# Altium PCB 1541 Interface for ZX-81.PcbDoc (part 2 of 2)
Units mm, origin at the board's own origin, x right, y up, seen from the top; angles counter-clockwise.
Board outline 70 x 70 mm, 2 copper layers (Top Layer, Bottom Layer), stack 1.569 mm thick; 47 components, 65 nets, 275 pads, 173 vias.
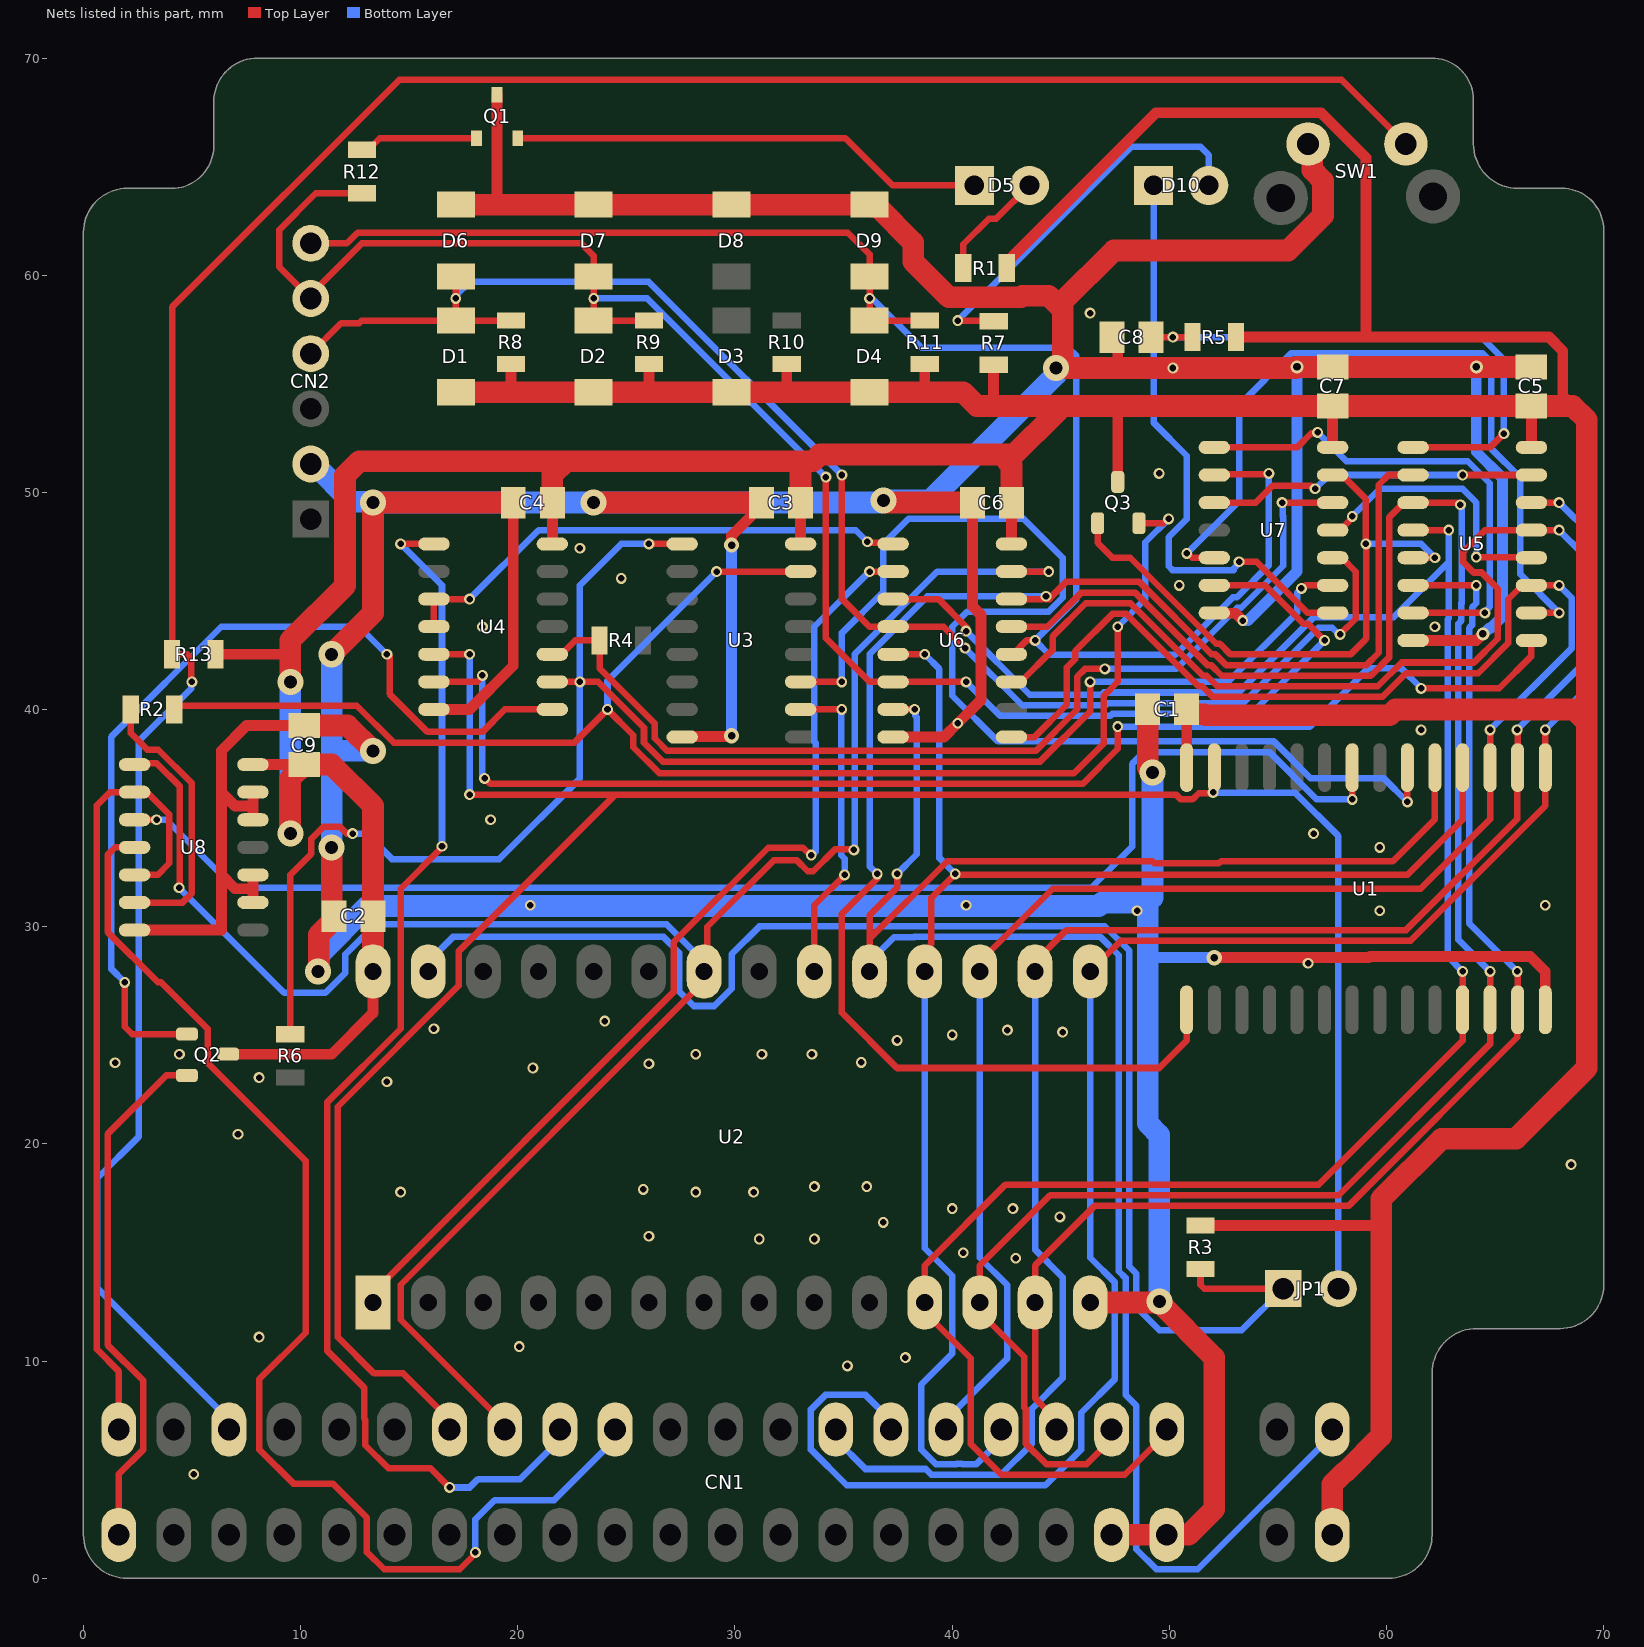
[diagram p2: the nets of this part, all layers, seen from the top]

## Via types
v1: diameter 0.5, hole 0.3, Top Layer to Bottom Layer, tented both sides, 155 vias
v2: diameter 1.2, hole 0.6, Top Layer to Bottom Layer, tented both sides, 12 vias
v3: diameter 0.6, hole 0.35, Top Layer to Bottom Layer, tented both sides, 3 vias
v4: diameter 0.7, hole 0.35, Top Layer to Bottom Layer, tented both sides, 3 vias

## Nets (pads, with @x,y where several pads share a name; then routed paths per layer and width w, separated by ;. In a path a pad name is that pad's centre, name@x,y a point inside that pad or via, vN(x,y) a via of type N, cw(c..) or ccw(c..) an arc to the next point about the centre after c; other vN are vias at no path point) (continued)
B\F\: U4.3 U4.4 U6.1 | length 24
  Top Layer w0.3: U4.4@16.14,43.815 U4.3@16.14,45.085 v1(17.78,45.085) ; v1(36.095,47.725) 36.149,47.725 36.192,47.682 37.223,47.682 U6.1@37.28,47.625
  Bottom Layer w0.3: v1(17.78,45.085) 20.955,48.26 35.56,48.26 v1(36.095,47.725)
B\F\W\R\: U4.6 U5.9 | length 60
  Top Layer w0.3: U4.6@16.14,41.275 18.133,41.275 18.133,41.28 18.37,41.517 v1(18.37,41.571) ; v1(18.469,36.83) 18.49,36.83 18.745,36.575 46.01,36.575 47.625,38.19 v1(47.625,39.215) ; v1(61.595,40.977) 65.187,40.977 66.675,42.465 U5.9@66.675,43.18
  Bottom Layer w0.3: v1(18.37,41.571) 18.37,36.929 v1(18.469,36.83) ; v1(47.625,39.215) 56.476,39.215 57.901,40.64 59.171,41.91 60.662,41.91 v1(61.595,40.977)
BUSY: U2.1 U6.2 | length 45.9
  Top Layer w0.3: U2.1@13.335,12.7 13.335,13.15 27.175,26.99 27.175,29.283 31.527,33.635 33.127,33.635 33.461,33.301 v1(33.515,33.301) ; v1(36.195,46.355) U6.2@37.28,46.355
  Bottom Layer w0.3: v1(33.515,33.301) 33.55,33.301 33.726,33.477 33.726,38.445 33.655,38.515 33.655,43.815 v1(36.195,46.355)
C\L\K\: CN2.4 D1.2 D6.1 R8.1 U6.4 U7.10 | length 70.5
  Top Layer w0.3: CN2.4@10.465,56.388 11.862,57.785 12.7,57.785 12.825,57.91 D1.2@17.145,57.91 ; D6.1@17.145,59.945 v1(17.145,58.928) D1.2@17.145,57.91 ; R8.1@19.685,57.91 D1.2@17.145,57.91 ; v1(34.925,50.8) 34.925,45.085 36.195,43.815 39.606,43.815 v1(40.595,42.826) ; U7.10@57.52,46.99 57.945,46.99 58.585,46.35 58.585,44.185 v1(57.864,43.464)
  Bottom Layer w0.3: v1(17.145,58.928) 17.145,59.055 17.78,59.69 26.035,59.69 v1(34.925,50.8) ; v1(40.595,42.826) 43.226,40.195 47.078,40.195 47.178,40.295 53.392,40.295 56.867,43.77 57.503,43.77 57.81,43.464 v1(57.864,43.464)
D0: CN1.4A U1.11 U2.11 U5.4 U6.3 | length 104.1
  Top Layer w0.3: U6.3@37.28,45.085 39.37,45.085 40.64,43.815 v1(40.64,43.616) ; CN1.4A@49.88,6.85 49.88,6.7 47.95,4.77 42.278,4.77 40.86,6.188 40.86,10.125 38.735,12.25 U2.11@38.735,12.7 38.735,14.4 42.46,18.125 56.875,18.125 63.5,24.75 U1.11@63.5,26.175 v1(63.5,27.94) ; U5.4@61.225,48.26 v1(62.865,48.26)
  Bottom Layer w0.3: v1(40.64,43.616) 43.571,40.685 46.875,40.685 46.975,40.785 53.189,40.785 56.664,44.26 60.334,44.26 62.82,46.746 ; v1(62.865,48.26) 62.865,46.746 62.865,44.204 62.82,44.159 62.82,28.62 v1(63.5,27.94)
D1: CN1.5A U1.12 U2.12 U5.3 U6.13 | length 97.6
  Top Layer w0.3: U6.13@42.73,43.815 44.383,43.815 45.953,45.385 48.419,45.385 51.754,42.05 51.922,42.05 52.412,41.56 59.28,41.56 60.135,42.415 60.135,48.865 60.8,49.53 63.246,49.53 63.346,49.43 v1(63.4,49.43) ; CN1.5A@47.34,6.85 47.34,6.4 46.2,5.26 44.328,5.26 43.4,6.188 43.4,7.772 43.325,7.847 43.325,10.2 41.275,12.25 U2.12@41.275,12.7 41.275,14.4 44.51,17.635 57.805,17.635 64.77,24.6 U1.12@64.77,26.175 v1(64.77,27.94)
  Bottom Layer w0.3: v1(63.4,49.43) 63.4,49.376 63.455,49.321 63.455,44.902 63.45,44.897 63.45,44.096 63.31,43.956 63.31,29.4 v1(64.77,27.94)
D2: CN1.6A U1.13 U2.13 U5.6 | length 59.3
  Top Layer w0.3: CN1.6A@44.8,6.85 44.8,7.3 43.815,8.285 U2.13@43.815,12.7 43.815,14.4 46.56,17.145 58.254,17.145 58.92,17.811 66.019,24.91 66.019,26.154 U1.13@66.04,26.175 66.04,27.919 v1(66.019,27.94) ; U5.6@61.225,45.72 v1(64.135,45.72)
  Bottom Layer w0.3: v1(64.135,45.72) 64.135,44.889 63.94,44.694 63.94,43.893 63.8,43.753 63.8,30.159 v1(66.019,27.94)
D3: CN1.9A U1.15 U2.15 U5.14 | length 85.1
  Top Layer w0.3: U2.15@46.355,27.94 46.355,28.038 46.956,28.639 47.054,28.639 47.77,29.355 61.105,29.355 67.31,35.56 U1.15@67.31,37.325 v1(67.31,39.065) ; U5.14@66.675,49.53 v1(67.945,49.53)
  Bottom Layer w0.3: CN1.9A@37.18,6.4 CN1.9A@37.18,6.85 37.18,7.27 36.01,8.44 34.168,8.44 33.5,7.772 33.5,5.928 35.148,4.28 44.292,4.28 45.94,5.928 45.94,7.62 47.495,9.175 47.495,13.622 46.355,14.762 U2.15@46.355,27.94 ; v1(67.31,39.065) 69.515,41.27 69.515,47.96 v1(67.945,49.53)
D4: CN1.10A U1.16 U2.16 U5.13 U6.11 | length 110.4
  Top Layer w0.3: U6.11@42.73,41.275 43.155,41.275 44.624,42.744 44.624,43.363 46.156,44.895 48.216,44.895 51.551,41.56 51.719,41.56 52.209,41.07 59.601,41.07 60.697,42.166 64.024,42.166 65.12,43.262 65.12,45.569 64.379,46.31 64.008,46.31 63.54,46.778 63.54,47.267 64.533,48.26 v1(67.945,48.26) ; U2.16@43.815,27.94 43.815,28.39 45.27,29.845 60.902,29.845 66.011,34.954 66.011,37.296 U1.16@66.04,37.325 66.04,39.036 v1(66.011,39.065)
  Bottom Layer w0.3: CN1.10A@34.64,6.85 34.64,6.4 36.009,5.031 38.784,5.031 39.045,4.77 42.242,4.77 43.66,6.188 43.66,7.795 45.085,9.22 45.085,13.862 43.815,15.133 U2.16@43.815,27.94 ; v1(66.011,39.065) 69.025,42.079 69.025,47.18 v1(67.945,48.26)
D5: CN1.8A U1.17 U2.17 U5.11 U6.9 | length 96.1
  Top Layer w0.3: U2.17@41.275,27.94 41.275,28.39 44.635,31.75 61.566,31.75 64.77,34.954 U1.17@64.77,37.325 v1(64.77,39.065) ; U6.9@42.73,38.735 43.791,38.735 45.275,40.219 45.275,41.936 45.666,42.327 45.666,42.69 47.381,44.405 48.013,44.405 51.348,41.07 51.516,41.07 52.006,40.58 59.804,40.58 60.9,41.676 64.227,41.676 65.61,43.059 65.61,45.08 66.25,45.72 v1(67.945,45.72)
  Bottom Layer w0.3: CN1.8A@39.72,6.4 CN1.8A@39.72,6.85 39.72,7.3 42.545,10.125 42.545,13.492 41.275,14.762 U2.17@41.275,27.94 ; v1(64.77,39.065) 68.535,42.83 68.535,45.13 v1(67.945,45.72)
D6: CN1.7A U1.18 U2.18 U6.5 | length 72.1
  Top Layer w0.3: U6.5@37.28,42.545 v1(38.735,42.545) ; U2.18@38.735,27.94 38.984,28.189 38.984,29.158 39.041,29.216 39.041,31.326 v1(40.145,32.43) 40.183,32.392 40.325,32.392 40.331,32.385 60.96,32.385 63.5,34.925 U1.18@63.5,37.325
  Bottom Layer w0.3: U2.18@38.735,27.94 38.735,15.195 40.005,13.925 40.005,10.344 38.58,8.919 38.58,5.928 39.248,5.26 40.192,5.26 40.202,5.27 40.45,5.27 40.46,5.26 41.12,5.26 42.26,6.4 CN1.7A@42.26,6.85 ; v1(38.735,42.545) 39.415,41.865 39.415,33.16 v1(40.145,32.43)
D7: CN1.1A U1.19 U2.19 U6.7 | length 97.4
  Top Layer w0.3: U2.19@36.195,27.94 36.195,28.39 36.195,29.443 ; U6.7@37.28,40.005 v1(38.274,40.005) ; v1(37.465,32.43) 37.465,31.798 36.195,30.528 36.195,29.443 ; U1.19@62.23,37.325 62.23,34.954 60.296,33.02 52.383,33.02 52.283,32.92 49.317,32.92 49.217,33.02 39.772,33.02 36.195,29.443
  Bottom Layer w0.3: U2.19@36.195,27.94 36.195,28.39 37.33,29.525 38.258,29.525 38.263,29.53 46.827,29.53 47.67,28.687 47.67,14.14 47.985,13.825 47.985,8.445 48.48,7.95 48.48,1.338 49.408,0.41 51.308,0.41 57.5,6.602 CN1.1A@57.5,6.85 ; v1(37.465,32.43) 38.374,33.339 38.374,39.644 38.312,39.705 38.312,39.967 v1(38.274,40.005)
D\A\T\A\: CN2.5 D2.2 D7.1 R9.1 R12.1 U6.6 U7.6 | length 81.7
  Top Layer w0.3: R12.1@12.825,63.77 10.702,63.77 9.014,62.082 9.014,60.379 CN2.5@10.465,58.928 10.465,59.108 12.825,61.468 22.912,61.468 23.495,60.885 D7.1@23.495,59.945 v1(23.495,58.928) D2.2@23.495,57.91 R9.1@26.035,57.91 ; v1(34.19,50.701) 34.19,43.28 36.195,41.275 U6.6@37.28,41.275 v1(40.64,41.275) ; U7.6@52.07,45.72 54.407,45.72 56.167,43.96 56.37,43.96 v1(57.15,43.18)
  Bottom Layer w0.3: v1(23.495,58.928) 25.963,58.928 v1(34.19,50.701) ; v1(40.64,41.275) 42.21,39.705 47.281,39.705 47.381,39.805 53.775,39.805 v1(57.15,43.18)
DIS: Q2.1 U4.8 | length 42.5
  Top Layer w0.3: v1(1.905,27.438) 1.905,25.4 2.251,25.054 Q2.1@4.765,25.054 ; v1(13.97,42.545) 14.094,42.421 14.094,40.721 15.844,38.971 18.369,38.971 19.403,40.005 U4.8@21.59,40.005
  Bottom Layer w0.3: v1(1.905,27.438) 1.27,28.073 1.27,38.735 6.35,43.815 12.7,43.815 v1(13.97,42.545)
DISIN: R6.2 U3.1 U4.9 U7.9 | length 81.1
  Top Layer w0.3: R6.2@9.525,25.054 9.525,32.385 10.49,33.35 10.49,34.044 11.041,34.595 11.819,34.595 12.124,34.29 v1(12.395,34.29) ; U4.9@21.59,41.275 23.694,41.275 25.811,39.158 25.811,38.471 26.677,37.605 44.047,37.605 46.355,39.913 v1(46.355,41.275) ; v1(26.035,47.625) U3.1@27.57,47.625 ; v1(56.078,45.577) 56.132,45.577 56.275,45.72 U7.9@57.52,45.72
  Bottom Layer w0.3: v1(12.395,34.29) 13.03,34.29 14.205,33.115 19.145,33.115 22.86,36.83 v1(22.86,41.275) 22.86,45.72 24.765,47.625 v1(26.035,47.625) ; v1(46.355,41.275) 52.705,41.275 55.88,44.45 55.88,45.379 v1(56.078,45.577)
DISOUT: CN1.23B Q2.2 | length 24.4
  Top Layer w0.3: CN1.23B@1.62,2 1.62,4.788 2.76,5.928 2.76,9.094 1.11,10.744 1.11,20.454 3.81,23.154 Q2.2@4.765,23.154
E\E\P\R\O\M\: U2.20 U3.10 | length 14.6
  Top Layer w0.3: U3.10@33.02,40.005 v1(34.914,40.005) ; U2.20@33.655,27.94 33.655,30.991 v1(35.049,32.385)
  Bottom Layer w0.3: v1(34.914,40.005) 34.889,39.98 34.889,33.291 35.049,33.131 v1(35.049,32.385)
GND: C1.1 C2.1 C3.1 C4.1 C5.1 C6.1 C7.1 C8.1 C9.1 CN1.4B CN1.5B CN2.2 D6.2 D7.2 D8.2 D9.2 Q1.3 SW1.1 U1.14 U2.14 U3.8 U4.7 U5.8 U6.8 U7.7 U8.7 U8.9 U8.10 U8.12 U8.13 | length 363.5
  Top Layer w0.5: U8.7@2.355,29.845 6.35,29.845 6.35,32.385 ; U8.9@7.805,31.115 7.805,31.75 ; U8.10@7.805,32.385 7.805,31.75 ; U8.12@7.805,34.925 7.805,35.56 ; U8.13@7.805,36.195 7.805,35.56 ; C9.1@10.16,39.265 7.515,39.265 6.35,38.1 6.35,36.195 ; U4.7@16.14,40.005 17.78,40.005 19.79,42.015 C4.1@19.79,49.53 ; 19.05,63.245 Q1.3@19.05,68.31 ; U3.8@27.57,38.735 27.589,38.754 29.809,38.754 v4(29.845,38.79) ; v4(29.845,47.57) 29.845,48.005 31.22,49.38 C3.1@31.22,49.53 ; U6.8@37.28,38.735 39.624,38.735 v1(40.259,39.37) 41.33,40.441 41.33,44.357 40.93,44.757 C6.1@40.93,49.53 ; C8.1@47.36,57.15 47.625,56.885 47.625,55.727 ; v4(52.07,28.575) 59.187,28.575 59.242,28.63 66.62,28.63 67.31,27.94 U1.14@67.31,26.175 ; U7.7@52.07,44.45 52.089,44.431 53.047,44.431 v1(53.379,44.099) ; U5.8@61.225,43.18 64.133,43.18 v3(64.44,43.487) ; 6.35,32.385 6.985,31.75 7.805,31.75 ; 6.35,32.385 6.35,36.195 ; 6.35,36.195 6.985,35.56 7.805,35.56
  Top Layer w1: C9.1@10.16,39.265 12.17,39.265 v2(13.335,38.1) ; v2(10.795,27.94) 10.833,27.978 10.833,29.628 11.46,30.255 11.46,30.405 C2.1@11.535,30.48 11.43,30.585 v2(11.43,33.655) ; v2(11.43,42.545) 13.335,44.45 v2(13.335,49.53) C4.1@19.79,49.53 ; D6.2@17.145,63.245 19.05,63.245 D7.2@23.495,63.245 D8.2@29.845,63.245 D9.2@36.195,63.245 36.295,63.145 36.57,63.145 38.211,61.504 38.211,60.626 39.852,58.985 43.174,58.985 43.244,59.055 44.45,59.055 45.095,58.41 ; v2(23.495,49.53) C3.1@31.22,49.53 ; v2(36.83,49.63) 36.884,49.63 36.984,49.53 C6.1@40.93,49.53 ; v2(44.78,55.72) 44.78,55.727 45.095,56.042 45.095,58.79 47.439,61.133 55.46,61.133 57.073,62.746 57.073,64.354 56.579,64.847 56.579,65.849 SW1.1@56.388,66.04 ; v2@45.095,55.727 47.625,55.727 51.29,55.727 55.832,55.727 v3(55.88,55.775) C7.1@57.52,55.775 v3(64.135,55.775) C5.1@66.675,55.775 ; U2.14@46.355,12.7 49.438,12.7 49.486,12.749 v2(49.541,12.749) ; CN1.5B@47.34,2 CN1.4B@49.88,2 50.895,2 52.07,3.175 52.07,10.16 v2@49.53,12.7 ; C1.1@49,40.005 49,37.325 v2(49.225,37.1)
  Bottom Layer w0.5: v4(29.845,38.79) v4(29.845,47.57) ; 49,28.575 v4(52.07,28.575) ; v1(53.379,44.099) 53.624,44.099 55.88,46.355 v3(55.88,55.775) ; v3(64.135,55.775) 64.135,51.871 65.341,50.664 65.341,44.285 64.816,43.76 64.74,43.76 64.467,43.487 v3(64.44,43.487)
  Bottom Layer w1: CN2.2@10.465,51.308 10.601,51.308 12.34,49.568 13.297,49.568 v2(13.335,49.53) v2(23.495,49.53) 36.676,49.53 36.776,49.63 38.999,49.63 44.78,55.411 v2(44.78,55.72) ; v2(10.795,27.94) 10.833,27.978 10.833,28.688 13.1,30.955 46.748,30.955 46.908,31.115 49,31.115 ; v2(11.43,33.655) 11.43,38.1 ; v2(11.43,42.545) 11.43,38.1 ; v2(13.335,38.1) 11.43,38.1 ; v2(49.225,37.1) 49.225,31.34 49,31.115 ; v2(49.541,12.749) 49.541,20.408 49,20.949 49,28.575 49,31.115
  other v1: 5.08,4.788 35.179,9.779 37.846,10.16 20.066,10.668 8.087,11.106 42.926,14.732 40.513,14.986 31.115,15.621 33.655,15.621 26.035,15.748 36.83,16.383 44.958,16.637 40.005,17.018 42.799,17.018 14.605,17.78 28.194,17.78 30.861,17.78 25.777,17.907 33.655,18.034 36.068,18.034 68.5,19.05 7.117,20.447 13.97,22.86 8.087,23.054 20.697,23.495 26.035,23.692 1.457,23.737 35.814,23.749 4.415,24.13 28.194,24.13 31.242,24.13 33.543,24.13 37.465,24.765 40.005,25.019 45.085,25.146 42.545,25.24 16.133,25.301 24.003,25.654 56.388,28.321 48.514,30.734 59.69,30.734 20.574,30.988 40.64,30.988 67.31,30.988 59.69,33.655 56.642,34.29 18.745,34.925 61.595,39.065 18.37,43.815 62.23,43.815 50.453,45.72 24.765,46.038 22.86,47.428 49.53,50.876 50.165,55.727 46.355,58.257
I\O\R\Q\: CN1.15A U4.1 | length 57.9
  Top Layer w0.3: v1(14.605,47.625) U4.1@16.14,47.625 ; v1(16.51,33.705) 16.51,33.655 14.605,31.75 14.605,25.301 11.215,21.911 11.215,10.485 12.92,8.78 12.92,7.358 12.978,7.3 12.978,6.13 14.035,5.073 15.967,5.073 v1(16.86,4.18)
  Bottom Layer w0.3: v1(14.605,47.625) 16.51,45.72 v1(16.51,33.705) ; v1(16.86,4.18) v1(16.86,4.18) 17.78,4.179 18.171,4.57 20.11,4.57 21.94,6.4 CN1.15A@21.94,6.85
M\E\M\: Q3.2 R2.2 U3.15 | length 71.6
  Top Layer w0.3: R2.2@4.175,40.005 4.35,40.18 12.584,40.18 14.283,38.481 22.606,38.481 v1(24.13,40.005) 25.321,38.814 25.321,38.268 26.524,37.065 45.605,37.065 46.99,38.45 46.99,40.64 47.625,41.275 v1(47.625,43.815) ; v1(29.155,46.355) U3.15@33.02,46.355 ; Q3.2@48.601,48.58 49.718,48.58 49.915,48.776 v1(49.969,48.776)
  Bottom Layer w0.3: v1(24.13,40.005) 24.13,41.33 v1(29.155,46.355) ; v1(47.625,43.815) 48.895,45.085 48.895,47.703 v1(49.969,48.776)
M\R\E\Q\: CN1.14A U8.4 | length 57
  Top Layer w0.3: U8.4@2.355,33.655 1.461,33.655 1.11,33.304 1.11,29.76 3.431,27.438 3.574,27.438 5.715,25.297 5.715,23.737 10.235,19.217 10.235,11.306 8.1,9.171 8.1,5.928 9.668,4.36 11.482,4.36 13.05,2.792 13.05,1.208 13.848,0.41 17.332,0.41 18,1.078 18,1.089 18.046,1.135 v1(18.046,1.189)
  Bottom Layer w0.3: v1(18.046,1.189) 18.046,2.708 18.928,3.59 21.67,3.59 24.48,6.4 CN1.14A@24.48,6.85
MA14: U1.1 U5.2 U6.14 | length 74.1
  Top Layer w0.3: v1(36.549,32.43) 36.549,32.217 34.925,30.592 34.925,26.035 37.465,23.495 49.53,23.495 50.8,24.765 U1.1@50.8,26.175 ; U6.14@42.73,45.085 44.139,45.085 44.267,45.214 v1(44.321,45.214) ; v1@44.321,45.085 44.504,45.085 44.504,45.139 45.24,45.875 48.622,45.875 51.957,42.54 52.125,42.54 52.615,42.05 59.077,42.05 59.645,42.618 59.645,50.354 60.091,50.8 U5.2@61.225,50.8
  Bottom Layer w0.3: v1(36.549,32.43) 36.195,32.784 36.195,42.545 38.864,45.214 v1(44.321,45.214)
NetD5_1: D5.1 Q1.2 | length 21.9
  Top Layer w0.3: Q1.2@20,66.31 35.086,66.31 37.261,64.135 D5.1@41.021,64.135
NetD5_2: D5.2 R1.1 | length 5.3
  Top Layer w0.3: R1.1@40.513,60.325 40.513,61.419 41.691,62.597 42.023,62.597 D5.2@43.561,64.135
NetD10_1: D10.1 U7.8 | length 28.4
  Top Layer w0.3: v1(53.211,46.803) 54.017,46.803 56.37,44.45 U7.8@57.52,44.45
  Bottom Layer w0.3: D10.1@48.526,63.385 D10.1@49.276,64.135 49.276,53.213 50.8,51.689 50.8,48.773 49.969,47.942 49.969,46.6 50.144,46.424 52.974,46.424 52.974,46.512 53.211,46.749 v1(53.211,46.803)
NetD10_2: D10.2 R7.1 | length 18.1
  Top Layer w0.3: v1(40.259,57.91) 40.274,57.895 41.865,57.895 41.88,57.91 R7.1@41.91,57.88
  Bottom Layer w0.3: v1(40.259,57.91) 48.262,65.913 51.435,65.913 51.816,65.532 D10.2@51.816,64.135
NetQ1_1: Q1.1 R12.2 | length 5.5
  Top Layer w0.3: R12.2@12.825,65.77 13.1,65.77 13.64,66.31 Q1.1@18.1,66.31
Q0: Q3.1 U5.5 U7.13 | length 28.6
  Top Layer w0.3: Q3.1@46.701,48.58 46.701,47.67 47.381,46.99 48.2,46.99 52.16,43.03 52.328,43.03 52.818,42.54 58.342,42.54 59.075,43.273 59.075,47.605 v1(59.055,47.625) 59.055,49.69 57.945,50.8 U7.13@57.52,50.8 ; U5.5@61.225,46.99 v1(62.23,46.99)
  Bottom Layer w0.3: v1(59.055,47.625) 61.595,47.625 v1(62.23,46.99)
Q2: U5.7 U7.1 | length 23.3
  Top Layer w0.3: U7.1@52.07,52.07 55.88,52.07 56.533,52.723 56.792,52.723 v1(56.83,52.761) ; U5.7@61.225,44.45 v1(64.53,44.45)
  Bottom Layer w0.3: v1(56.83,52.761) 58.156,51.435 63.736,51.435 64.751,50.42 64.751,44.725 64.53,44.504 v1(64.53,44.45)
Q3: U5.15 U7.3 | length 15.3
  Top Layer w0.3: U7.3@52.07,49.53 53.975,49.53 54.755,50.31 56.533,50.31 56.678,50.165 v1(56.715,50.165) ; v1(63.5,50.8) U5.15@66.675,50.8
  Bottom Layer w0.3: v1(56.715,50.165) 57.35,50.8 v1(63.5,50.8)
Q4: U5.12 U7.11 | length 12.8
  Top Layer w0.3: U7.11@57.52,48.26 57.864,48.26 58.42,48.816 v1(58.42,48.895) ; v1(64.13,47.023) 64.146,47.006 66.659,47.006 U5.12@66.675,46.99
  Bottom Layer w0.3: v1(58.42,48.895) 59.69,50.165 63.5,50.165 64.135,49.53 v1@64.135,47.023
Q5: U5.10 U7.5 | length 36.1
  Top Layer w0.3: v1(50.8,47.189) 50.854,47.189 51.054,46.99 U7.5@52.07,46.99 ; U5.10@66.675,44.45 v1(67.945,44.45)
  Bottom Layer w0.3: v1(50.8,47.189) 53.227,49.616 53.227,54.027 55.615,56.415 64.4,56.415 64.815,56 64.815,52.025 66.153,50.687 66.153,46.242 v1(67.945,44.45)
Q\0\: R4.2 U4.10 U7.12 | length 46.9
  Top Layer w0.3: U4.10@21.59,42.545 22.015,42.545 22.65,43.18 R4.2@23.765,43.18 23.765,41.897 26.301,39.361 26.301,38.674 26.88,38.095 43.844,38.095 45.765,40.016 45.765,41.519 46.116,41.871 v1(47.035,41.871) ; v1(55.19,49.53) U7.12@57.52,49.53
  Bottom Layer w0.3: v1(47.035,41.871) 50.316,41.871 53.131,44.686 53.314,44.686 55.245,46.617 55.245,48.895 55.228,48.912 55.228,49.492 v1(55.19,49.53)
R\-\M\R\E\Q\: R2.1 U8.6 | length 12.7
  Top Layer w0.3: R2.1@2.175,40.005 2.175,38.915 2.944,38.146 3.448,38.146 4.993,36.602 4.993,31.547 4.561,31.115 U8.6@2.355,31.115
R\D\: CN1.16A U2.22 U6.15 U8.1 | length 97.3
  Top Layer w0.3: U8.1@2.355,37.465 2.412,37.522 3.36,37.522 3.37,37.532 4.445,36.457 4.445,31.833 v1(4.403,31.791) ; CN1.16A@19.4,6.85 19.4,7.113 14.605,11.908 14.605,13.52 28.575,27.49 U2.22@28.575,27.94 28.728,28.093 28.728,29.998 31.784,33.054 32.855,33.054 33.354,32.555 33.603,32.555 34.623,33.575 35.298,33.575 35.299,33.573 35.441,33.573 v1(35.479,33.535) ; U6.15@42.73,46.355 v1(44.45,46.355)
  Bottom Layer w0.3: v1(4.403,31.791) 9.237,26.958 11.142,26.958 12.065,27.881 12.065,28.732 13.448,30.115 26.85,30.115 28.575,28.39 U2.22@28.575,27.94 ; v1(35.479,33.535) 35.504,33.56 35.504,42.547 39.312,46.355 v1(44.45,46.355)
R\E\S\: C8.2 R5.1 U5.1 | length 25.4
  Top Layer w0.3: C8.2@49.16,57.15 v1(50.165,57.15) R5.1@51.07,57.15 ; U5.1@61.225,52.07 64.77,52.07 v1(65.405,52.705)
  Bottom Layer w0.3: v1(50.165,57.15) 64.358,57.15 65.405,56.103 v1(65.405,52.705)
R\E\S\E\T\: CN2.6 D4.2 D9.1 R11.1 U6.12 U7.2 | length 77.3
  Top Layer w0.3: CN2.6@10.465,61.468 12.132,61.468 12.622,61.958 35.197,61.958 36.195,60.96 D9.1@36.195,59.945 v1(36.195,58.928) D4.2@36.195,57.91 R11.1@38.735,57.91 ; U6.12@42.73,42.545 42.79,42.545 43.425,43.18 v1(43.815,43.18) ; U7.2@52.07,50.8 52.108,50.838 54.55,50.838 v1(54.588,50.876)
  Bottom Layer w0.3: v1(36.195,58.928) 36.322,58.928 38.59,56.66 45.341,56.66 45.72,56.281 45.72,45.085 v1(43.815,43.18) 44.466,42.529 50.281,42.529 52.928,45.176 53.111,45.176 54.588,46.652 v1(54.588,50.876)
R\F\S\H\: CN1.23A U8.2 U8.5 | length 37.2
  Top Layer w0.3: CN1.23A@1.62,6.85 1.62,9.541 0.62,10.541 0.62,35.596 1.219,36.195 U8.2@2.355,36.195 2.412,36.138 2.987,36.138 3.955,35.169 3.955,32.924 3.416,32.385 U8.5@2.355,32.385
S\R\A\M\: U1.20 U3.11 | length 53.7
  Top Layer w0.3: U3.11@33.02,41.275 v1(34.914,41.275) ; v1(60.96,35.75) U1.20@60.96,37.325
  Bottom Layer w0.3: v1(34.914,41.275) 34.925,41.286 34.925,43.525 36.83,45.43 36.83,47.625 37.995,48.79 43.285,48.79 45.085,46.99 45.085,45.143 44.44,44.498 40.688,44.498 40.005,43.815 40.005,40.64 42.115,38.53 54.815,38.53 56.515,36.83 59.88,36.83 v1(60.96,35.75)
S\R\A\M\_\O\E\: U1.22 U8.3 | length 64.5
  Top Layer w0.3: U8.3@2.355,34.925 v1(3.365,34.925) ; v1(58.42,35.864) U1.22@58.42,37.325
  Bottom Layer w0.3: v1(3.365,34.925) 3.81,34.925 6.94,31.795 46.4,31.795 48.285,33.68 48.285,37.49 48.835,38.04 54.612,38.04 56.788,35.864 v1(58.42,35.864)
VCC: C1.2 C2.2 C3.2 C4.2 C5.2 C6.2 C7.2 C9.2 CN1.1B D1.1 D2.1 D3.1 D4.1 Q2.3 Q3.3 R1.2 R3.1 R5.2 R7.2 R8.2 R9.2 R10.2 R11.2 R13.2 U1.28 U2.28 U3.16 U4.14 U5.16 U6.16 U7.14 U8.14 | length 296.2
  Top Layer w0.5: R13.2@6.08,42.545 9.503,42.545 9.525,42.523 ; Q2.3@6.665,24.13 11.43,24.13 13.335,26.035 U2.28@13.335,27.94 ; U8.14@7.805,37.465 C9.2@10.16,37.465 ; 19.685,54.61 R8.2@19.685,55.91 ; U4.14@21.59,47.625 C4.2@21.59,49.53 ; 26.035,54.61 R9.2@26.035,55.91 ; 32.385,54.61 R10.2@32.385,55.91 ; U3.16@33.02,47.625 C3.2@33.02,49.53 ; 38.735,54.61 R11.2@38.735,55.91 ; 41.91,53.975 R7.2@41.91,55.88 ; R1.2@42.513,60.325 42.638,60.45 42.638,60.725 49.393,67.48 56.984,67.48 59.055,65.409 59.055,57.15 ; U6.16@42.73,47.625 C6.2@42.73,49.53 ; Q3.3@47.625,50.48 47.625,53.975 ; U1.28@50.8,37.325 C1.2@50.8,40.005 ; R3.1@51.435,16.24 59.69,16.24 59.76,16.17 ; R5.2@53.07,57.15 59.055,57.15 ; U7.14@57.52,52.07 C7.2@57.52,53.975 ; U5.16@66.675,52.07 C5.2@66.675,53.975 ; 68.58,53.975 68.116,54.439 68.116,56.515 67.481,57.15 59.055,57.15
  Top Layer w1: v2(9.525,34.29) 9.525,36.83 C9.2@10.16,37.465 11.43,37.465 13.335,35.56 C2.2@13.335,30.48 U2.28@13.335,27.94 ; v2(9.525,41.275) 9.525,42.523 9.525,43.18 12.045,45.7 12.045,50.78 12.7,51.435 22.225,51.435 ; D1.1@17.145,54.61 19.685,54.61 D2.1@23.495,54.61 26.035,54.61 D3.1@29.845,54.61 32.385,54.61 D4.1@36.195,54.61 38.735,54.61 40.51,54.61 41.145,53.975 41.91,53.975 45.085,53.975 ; C4.2@21.59,49.53 21.59,50.8 22.225,51.435 ; C3.2@33.02,49.53 33.02,51.435 ; C6.2@42.73,49.53 42.73,51.25 42.545,51.435 45.085,53.975 ; 42.73,51.74 38.07,51.74 33.901,51.74 33.596,51.435 33.02,51.435 ; C1.2@50.8,40.005 50.8,39.855 50.875,39.78 51.618,39.78 51.658,39.74 60.152,39.74 60.417,40.005 68.629,40.005 69.215,39.419 ; CN1.1B@57.5,2 57.5,4.324 58.086,4.91 58.117,4.91 59.76,6.553 59.76,16.17 59.76,17.463 62.537,20.24 65.96,20.24 69.215,23.495 69.215,39.419 ; 22.225,51.435 33.02,51.435 ; 45.085,53.975 47.625,53.975 C7.2@57.52,53.975 C5.2@66.675,53.975 68.116,53.975 68.58,53.975 69.215,53.34 69.215,39.419
  Bottom Layer w1: v2(9.525,34.29) v2(9.525,41.275)
W\E\: JP1.1 R3.2 U2.27 | length 67.6
  Top Layer w0.3: R3.2@51.435,14.24 51.435,13.511 51.611,13.335 JP1.1@55.245,13.335
  Bottom Layer w0.3: U2.27@15.875,27.94 15.875,28.39 17.015,29.53 26.711,29.53 27.435,28.806 27.435,27.018 28.103,26.35 29.047,26.35 29.845,27.148 29.845,28.732 31.128,30.015 38.055,30.015 38.06,30.02 47.03,30.02 48.16,28.89 48.16,14.343 48.475,14.028 48.475,12.485 49.53,11.43 53.34,11.43 JP1.1@55.245,13.335
W\R\: CN1.17A JP1.2 U1.27 U4.5 | length 108.6
  Top Layer w0.3: U4.5@16.14,42.545 v1(17.78,42.545) ; CN1.17A@16.86,6.85 16.86,7.3 14.731,9.429 13.382,9.429 11.705,11.106 11.705,21.708 17.275,27.278 17.275,28.862 24.498,36.085 ; v1(17.78,36.085) 24.498,36.085 ; v1(52.015,36.185) 51.977,36.147 51.352,36.147 51.065,35.86 50.535,35.86 50.31,36.085 24.498,36.085 ; v1@52.043,36.185 52.043,37.298 U1.27@52.07,37.325
  Bottom Layer w0.3: v1(17.78,36.085) v1(17.78,42.545) ; v1(52.015,36.185) 52.04,36.16 55.799,36.16 57.785,34.174 JP1.2@57.785,13.335
ZX81_RESET: CN1.21A R13.1 SW1.2 | length 119.2
  Top Layer w0.3: v1(4.993,41.275) 4.955,41.313 4.955,42.369 4.779,42.545 R13.1@4.08,42.545 4.08,58.531 14.549,69 57.928,69 SW1.2@60.888,66.04
  Bottom Layer w0.3: v1(4.993,41.275) 4.955,41.237 4.955,40.96 2.54,38.545 2.54,20.32 0.635,18.415 0.635,13.365 6.7,7.3 CN1.21A@6.7,6.85
pads on no net: CN1.2A CN1.2B CN1.6B CN1.11A CN1.12A CN1.13A CN1.18A CN1.19A CN1.20A CN1.22A CN2.1 SW1.3 SW1.4 U2.26 U3.6 U3.9 U3.12 U8.8 U8.11

## Polygon pours and split planes (outlines as drawn)
GND on Top Layer "Top Layer - GND" (solid, remove dead copper, pour order 0): 0,2 ccw(c2,2) 2,0 60.1,0 ccw(c60.1,2) 62.1,2 62.1,9.441 cw(c64.159,9.441) 64.159,11.5 68,11.5 ccw(c68,13.5) 70,13.5 70,62.08 ccw(c68.08,62.08) 68.08,64 66.048,64 cw(c66.048,66.048) 64,66.048 64,68.08 ccw(c62.08,68.08) 62.08,70 8.024,70 ccw(c8.024,67.976) 6,67.976 6,65.944 cw(c4.056,65.944) 4.056,64 2.024,64 ccw(c2.024,61.976) 0,61.976
GND on Bottom Layer "Bottom Layer - GND" (solid, remove dead copper, pour order 1): 0,2 ccw(c2,2) 2,0 60.1,0 ccw(c60.1,2) 62.1,2 62.1,9.441 cw(c64.159,9.441) 64.159,11.5 68,11.5 ccw(c68,13.5) 70,13.5 70,62.08 ccw(c68.08,62.08) 68.08,64 66.048,64 cw(c66.048,66.048) 64,66.048 64,68.08 ccw(c62.08,68.08) 62.08,70 8.024,70 ccw(c8.024,67.976) 6,67.976 6,65.944 cw(c4.056,65.944) 4.056,64 2.024,64 ccw(c2.024,61.976) 0,61.976

## Keep-outs
Keep-Out Layer:
  circle w0.1: c64.5,15.5 r4
  circle w0.1: c5.5,15.5 r4

## Silkscreen, mask and mechanical layers (free items; w line width, h text height)
Top Overlay:
  lines w0.1: 41.656,62.611 41.656,62.103 ccw(c42.926,64.135) 41.656,66.167 41.656,65.659 ; 49.911,62.611 49.911,62.103 ccw(c51.181,64.135) 49.911,66.167 49.911,65.659
  text "Reset" at 1.072,61.869 h2
  text "DATA" at 1.008,59.304 h2
  text "CLK" at 2.254,56.742 h2
  text "ATN" at 2.21,54.224 h2
  text "GND" at 2.111,51.662 h2
  text "NC" at 3.518,49.097 h2
  text "JLCJLCJLCJLC" at 12.421,15.379 h1.5
Bottom Overlay:
  drawing of 64 lines, arcs and shapes, not listed
  text "Reset" at 8.687,60.793 h2
  text "DATA" at 46.038,59.492 h3
  text "DISIN" at 53.916,59.459 h3
  text "Reset" at 62.59,59.476 h3
  text "DATA" at 8.687,58.263 h2
  text "CLK" at 8.687,55.701 h2
  text "ATN" at 8.687,53.437 h2
  text "GND" at 8.687,50.621 h2
  text "NC" at 8.687,48.081 h2
  text "ZX1541 / Interface" at 57.114,47.259 h5
  text "Version: 1.01 / Revision: B / Date: 2020-10-27" at 67.922,19.365 h2
  text "Original concept & circuit by Luis C. Grosso (2000) / Modifications for ZX-81 by Jarek Adamski (2006) / Layout and PCB by Dirk Wouters (2020)" at 50.97,16.367 h2.5
Board:
  circle w0.1: c67,61.5 r1.75
  circle w0.1: c64.5,15.5 r1.75
  circle w0.1: c5.5,15.5 r1.75
  pour cut-out: 62.75,15.5 ccw(c64.5,15.5) 64.5,13.75 ccw(c64.5,15.5) 66.25,15.5 ccw(c64.5,15.5) 64.5,17.25 ccw(c64.5,15.5)
  lines w0.1: 8.024,70 ccw(c8.024,67.976) 6,67.976 6,66.04 cw(c3.96,66.04) 3.96,64 2.024,64 ccw(c2.024,61.976) 0,61.976 0,2.032 ccw(c2.032,2.032) 2.032,0 60.1,0 ccw(c60.1,2) 62.1,2 62.1,9.425 cw(c64.175,9.425) 64.175,11.5 68,11.5 ccw(c68,13.5) 70,13.5 70,61.972 ccw(c67.972,61.972) 67.972,64 66.048,64 cw(c66.048,66.048) 64,66.048 64,67.976 ccw(c61.976,67.976) 61.976,70 ; 8.329,70 62.281,70

## Text inside footprints (layer, text, board x,y; h text height)
D5: Top Overlay "+" at 44.45,66.167 h1; Top Assembly "+" at 42.545,65.024 h1
D10: Top Overlay "+" at 52.635,66.04 h1; Top Assembly "+" at 50.8,65.024 h1